# Altium PCB Omarichet_EPS - Copy.PcbDoc (part 1 of 3)
Units mil, origin at the board's own origin, x right, y up, seen from the top; angles counter-clockwise.
Board outline 6000 x 4000 mil, 2 copper layers (Top Layer, Bottom Layer); 253 components, 165 nets, 888 pads, 190 vias.
Unrouted connection lines stored in the file: 108.
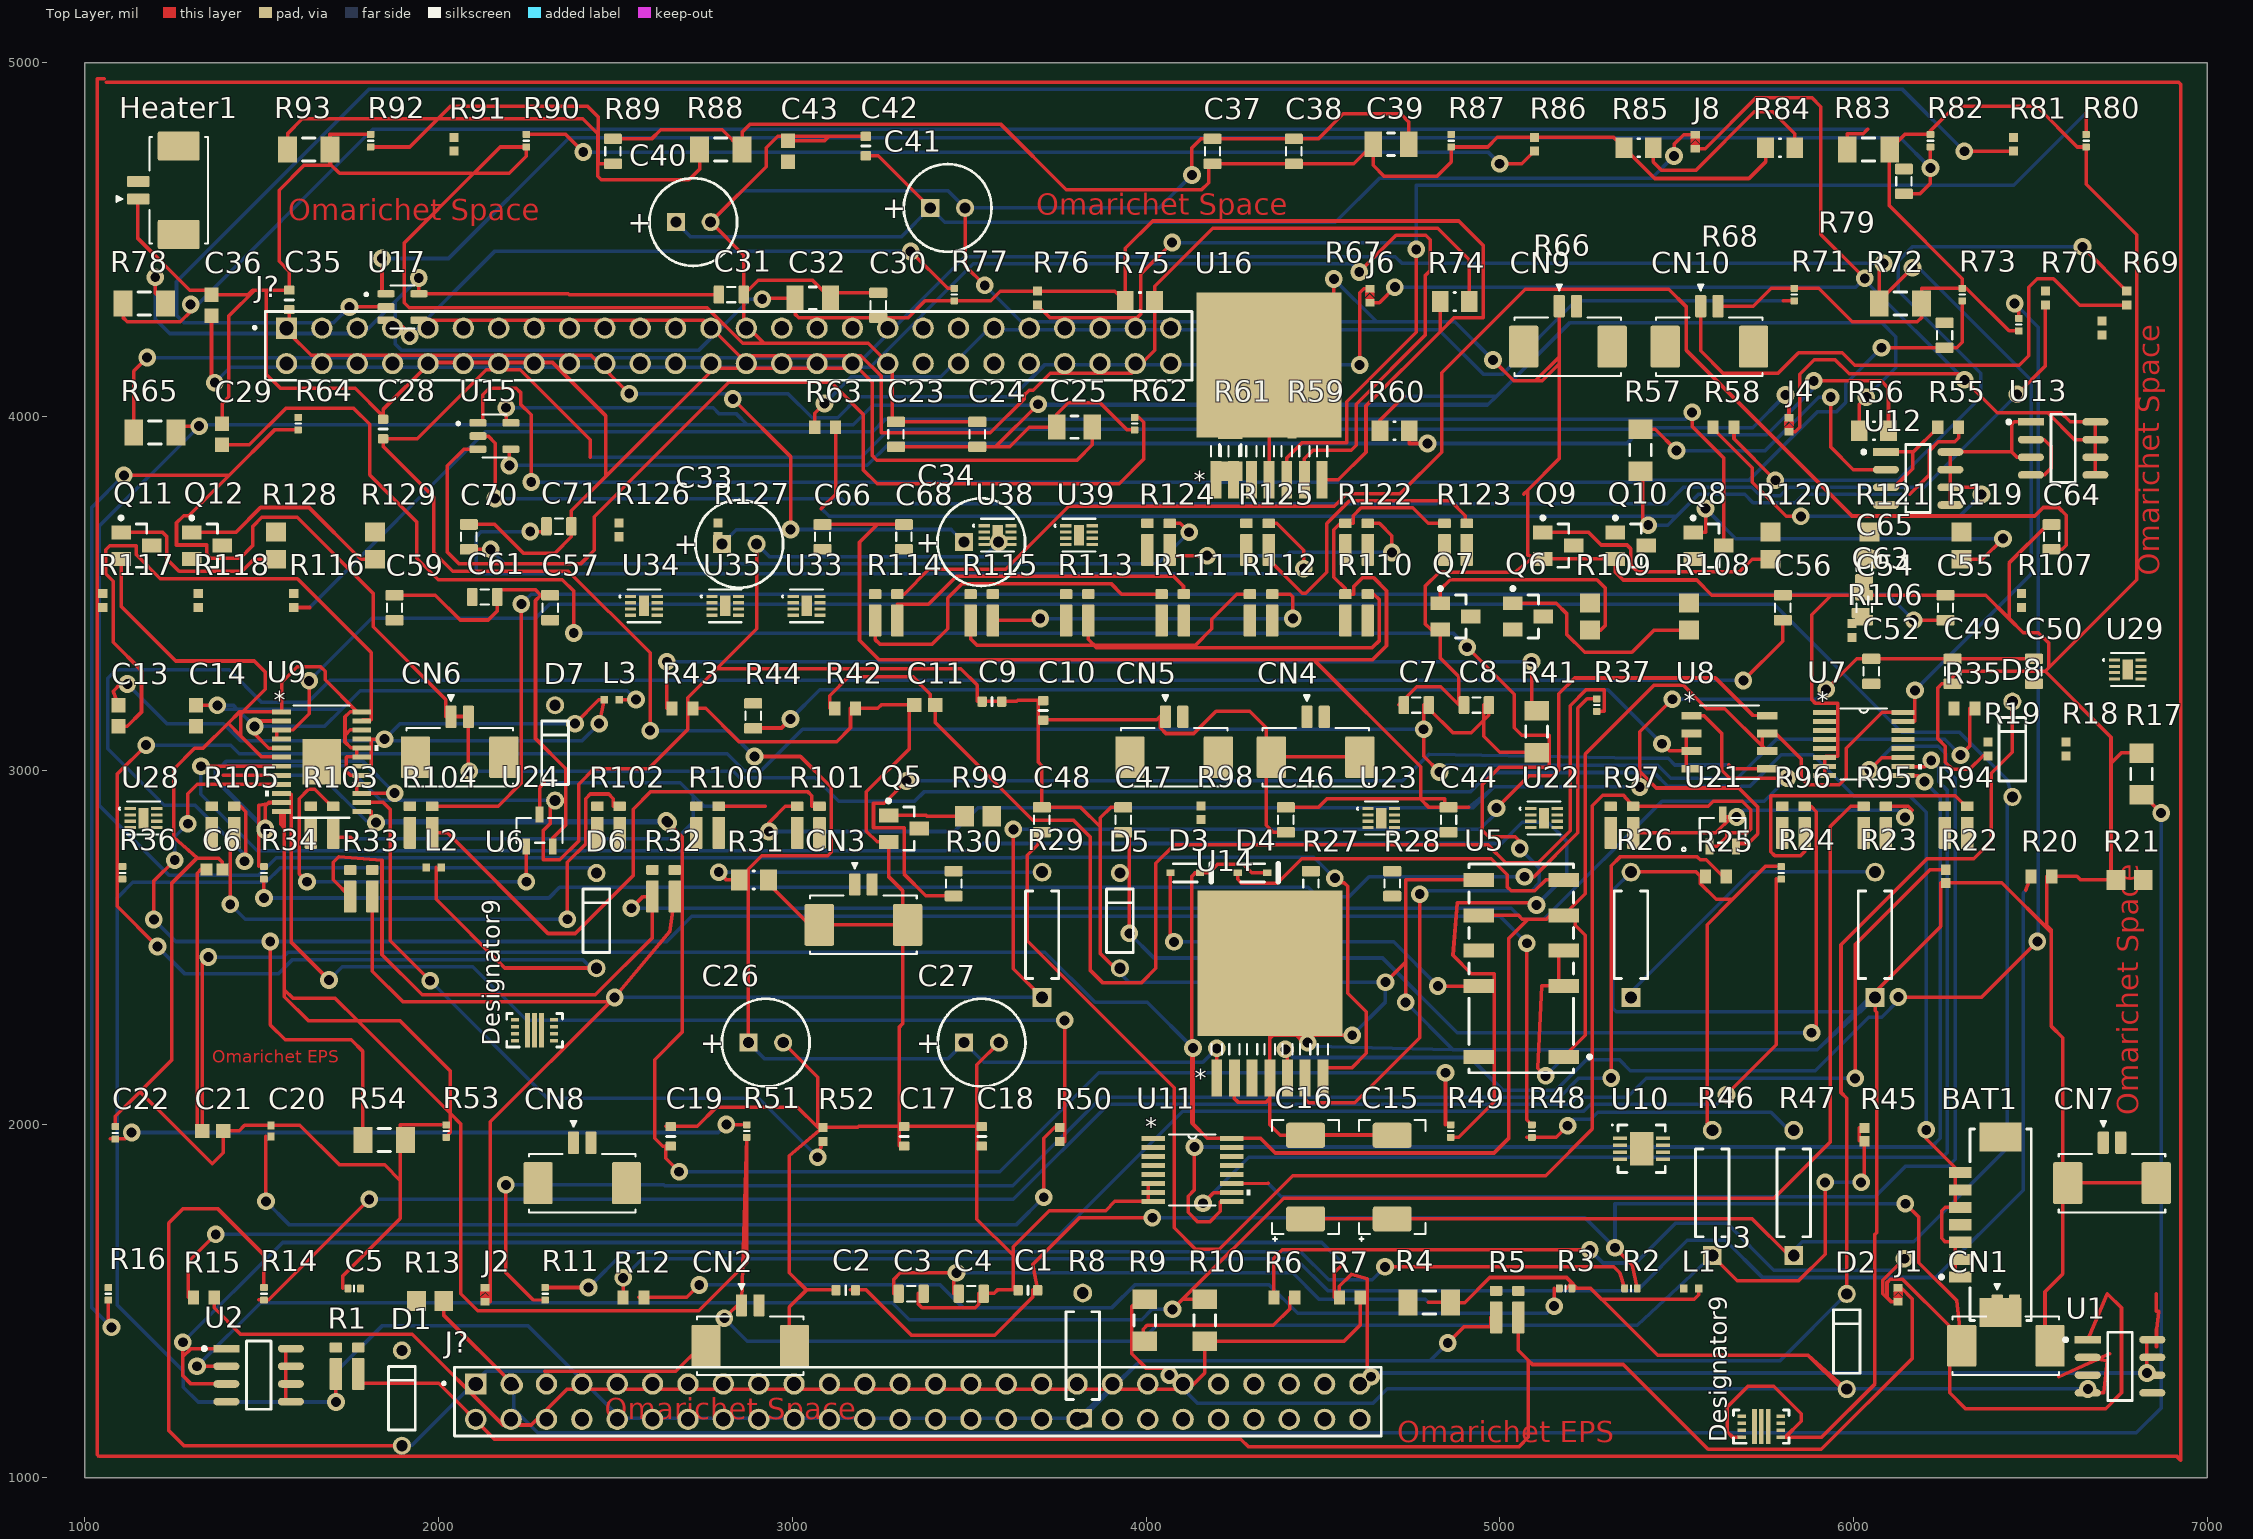
[diagram p0: Top Layer view]
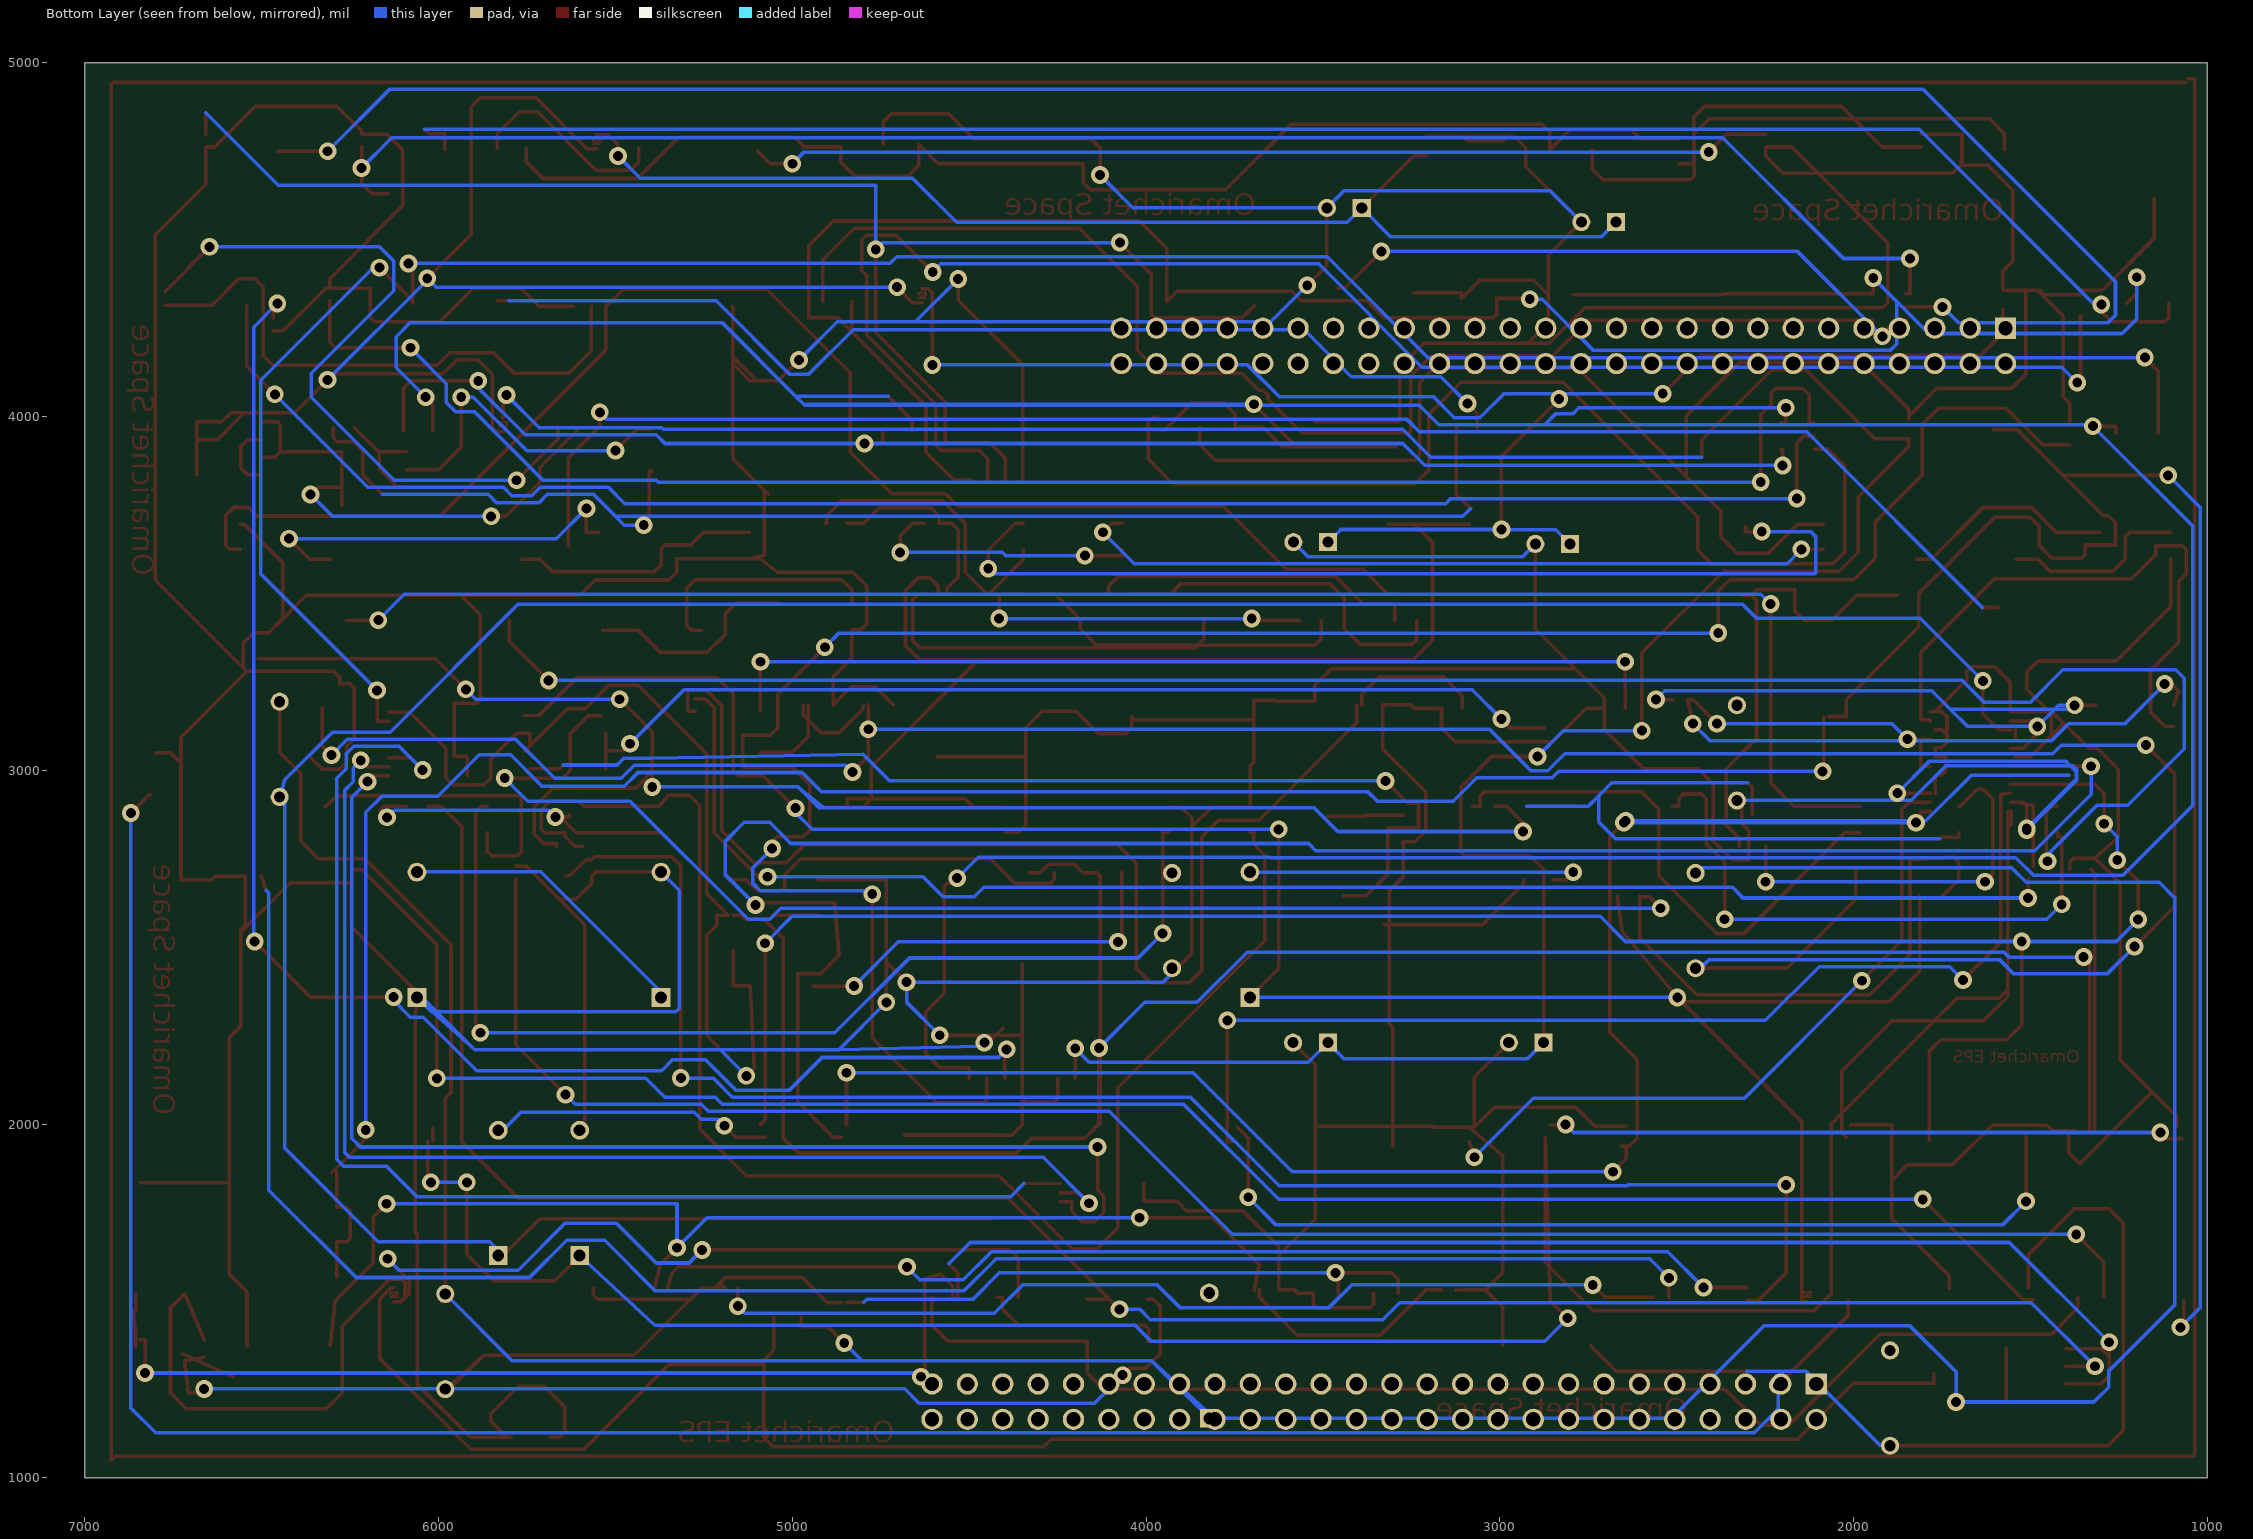
[diagram p1: Bottom Layer view, seen from below]

## Layer stack, top to bottom
Top Solder: solder mask 0.4, Solder Resist, Dk 3.5
Top Layer: signal copper 1.4
Dielectric 1: dielectric 12.6, FR-4, Dk 4.8
Bottom Layer: signal copper 1.4
Bottom Solder: solder mask 0.4, Solder Resist, Dk 3.5

## Board outline
1000,1000 7000,1000 7000,5000 1000,5000

## Design rules (kind name [scope] priority, off if disabled: settings)
Clearance [All] p1: gap=10 ignorepadtopadclearanceinfootprint=FALSE except(0: Arc-Hole Track-Hole SMDPad-Hole THPad-Hole Via-Hole Fill-Hole Poly-Hole Region-Hole Text-Hole)
PolygonConnect [All] p1: connectstyle=Relief reliefconductorwidth=10 reliefentries=4 polygonreliefangle="90 Angle" airgapwidth=10
RoutingVias [All] p1: holewidth=28 width=50 viastyle="Through Hole" minholewidth=28 minwidth=50 maxholewidth=28 maxwidth=50
SolderMaskExpansion [All] p1: expansion=4 istentingtop=FALSE
Width [All] p1: maxlimit=10 minlimit=10 preferedwidth=10
30 further rules are at their usual default settings.

## Classes and differential pairs
component class Sheet3: C44 C45 C46 C47 C48 C49 C50 C51 C52 C53 C54 C55 C56 C57 C58 C59 C60 C61 C62 C63 C64 C65 C66 C67 C68 C69 C70 C71 J? Q5 Q6 Q7 Q8 Q9 Q10 Q11 Q12 R94 R95 R96 R97 R98 R99 R100 R101 R102 R103 R104 R105 R106 R107 R108 R109 R110 R111 R112 R113 R114 R115 R116 R117 R118 R119 R120 R121 R122 R123 R124 R125 R126 R127 R128 R129 U20 U21 U22 U23 U24 U25 U26 U27 U28 U29 U30 U31 U32 U33 U34 U35 U36 U37 U38 U39
component class Sheet2: C23 C24 C25 C26 C27 C28 C29 C30 C31 C32 C33 C34 C35 C36 C37 C38 C39 C40 C41 C42 C43 CN9 CN10 Heater1 J4 J5 J6 J7 J8 J9 J10 J11 J? Q4 R55 R56 R57 R58 R59 R60 R61 R62 R63 R64 R65 R66 R67 R68 R69 R70 R71 R72 R73 R74 R75 R76 R77 R78 R79 R80 R81 R82 R83 R84 R85 R86 R87 R88 R89 R90 R91 R92 R93 U12 U13 U14 U15 U16 U17 U18 U19
component class Sheet1: BAT1 C1 C2 C3 C4 C5 C6 C7 C8 C9 C10 C11 C12 C13 C14 C15 C16 C17 C18 C19 C20 C21 C22 CN1 CN2 CN3 CN4 CN5 CN6 CN7 CN8 D1 D2 D3 D4 D5 D6 D7 D8 F1 J1 J2 J3 J_Antenna1 L1 L2 L3 Q1 Q2 Q3 R1 R2 R3 R4 R5 R6 R7 R8 R9 R10 R11 R12 R13 R14 R15 R16 R17 R18 R19 R20 R21 R22 R23 R24 R25 R26 R27 R28 R29 R30 R31 R32 R33 R34 R35 R36 R37 R38 R39 R40 R41 R42 R43 R44 R45 R46 R47 R48 R49 R50 R51 R52 R53 R54 SSW1 Temp1 U1 U2 U3 U4 U5 U6 U7 U8 U9 U10 U11

## Components (designator, comment, footprint, x,y, rotation, side; value= is the part's Value field where it differs from the comment)
BAT1 "53261-0771" Molex_0_MFG 6416.18,1715 r90 top
C1 "Capacitor 4.7µF +/-20% 10V 0603" CAPC0603(1608)100_L 3666.18,1530 r0 top value=4.7µF
C2 "Capacitor 4.7µF +/-20% 10V 0603" CAPC0603(1608)100_L 3151.18,1530 r0 top value=4.7µF
C3 "Capacitor 22µF +/-40% 16V 0805" CAPC0805(2012)145_L 3336.18,1520 r0 top value=22µF
C4 "Capacitor 22µF +/-40% 16V 0805" CAPC0805(2012)145_L 3506.18,1520 r0 top value=22µF
C5 "Capacitor 2,2µF +/-20% 10V 0402" CAPC0402(1005)60_L 1761.18,1535 r0 top value=2.2µF
C6 "Capacitor 1 uF +/- 10% 25 V 0603" CAPC1608X90X40LL10T20 1366.18,2720 r0 top value=1µF
C7 "Capacitor 22µF +/-40% 16V 0805" CAPC0805(2012)145_L 4764.43,3184.25 r0 top value=22µF
C8 "Capacitor 22µF +/-40% 16V 0805" CAPC0805(2012)145_L 4934.43,3184.25 r0 top value=22µF
C9 "Capacitor 4.7µF +/-20% 10V 0603" CAPC0603(1608)100_L 3564.43,3194.25 r0 top value=4.7µF
C10 "Capacitor 4.7µF +/-20% 10V 0603" CAPC0603(1608)100_L 3709.43,3169.25 r90 top value=4.7µF
C11 "Capacitor 1 uF +/- 10% 16 V 0603" CAPC1608X94X35NL15T15 3374.43,3184.25 r0 top value=1µF
C13 "Capacitor 1 uF +/- 10% 16 V 0603" CAPC1608X94X35NL15T15 1094.43,3154.25 r90 top value=1µF
C14 "Capacitor 1 uF +/- 10% 16 V 0603" CAPC1608X94X35NL15T15 1314.43,3154.25 r90 top value=1µF
C15 "Capacitor 33µF +/-20% 25V 2917" EEF-CX1E330R-Footprint-1 4696.18,1850 r90 top value=33µF
C16 "Capacitor 33µF +/-20% 25V 2917" EEF-CX1E330R-Footprint-1 4451.18,1850 r90 top value=33µF
C17 "Capacitor 4.7µF +/-20% 10V 0603" CAPC0603(1608)100_L 3316.18,1965 r90 top value=4.7µF
C18 "Capacitor 4.7µF +/-20% 10V 0603" CAPC0603(1608)100_L 3536.18,1965 r90 top value=4.7µF
C19 "Capacitor 4.7µF +/-20% 10V 0603" CAPC0603(1608)100_L 2656.18,1965 r90 top value=4.7µF
C20 "Capacitor 1 uF +/- 10% 6.3 V 0402" CAPC1005X55X25LL05T10 1526.18,1980 r90 top value=1µF
C21 "Capacitor 1 uF +/- 10% 16 V 0603" CAPC1608X94X35NL15T15 1361.18,1980 r0 top value=1µF
C22 "Capacitor 470nF +/-40% 10V 0402" CAPC0402(1005)60_L 1086.18,1975 r90 top value=470nF
C23 "Capacitor 100µF +/-20% 6.3V 0805" CAPC0805(2012)145_L 3292.91,3950 r90 top value=100µF
C24 "Capacitor 100µF +/-20% 6.3V 0805" CAPC0805(2012)145_L 3522.91,3950 r90 top value=100µF
C25 "Capacitor 100 uF +/- 20% 6.3 V 1206" CAPC3216X190X55LL30T25 3797.91,3970 r0 top value=100µF
C26 "ECA-1HM470" CAPPR55-250-1120X630X1220 2925,2230 r0 top value=47µF
C27 "ECA-1HM470" CAPPR55-250-1120X630X1220 3535,2230 r0 top value=47µF
C28 "Capacitor 1µF +/-40% 50V 0603" CAPC0603(1608)100_L 1842.91,3965 r90 top value=1µF
C29 "Capacitor 1 uF +/- 10% 16 V 0603" CAPC1608X94X35NL15T15 1387.91,3950 r90 top value=1µF
C30 "Capacitor 100µF +/-20% 6.3V 0805" CAPC0805(2012)145_L 3242.91,4315 r90 top value=100µF
C31 "Capacitor 100µF +/-20% 6.3V 0805" CAPC0805(2012)145_L 2827.91,4345 r0 top value=100µF
C32 "Capacitor 100 uF +/- 20% 6.3 V 1206" CAPC3216X190X55LL30T25 3057.91,4335 r0 top value=100µF
C33 "ECA-1HM470" CAPPR55-250-1120X630X1220 2850,3640 r0 top value=47µF
C34 "ECA-1HM470" CAPPR55-250-1120X630X1220 3534.21,3645 r0 top value=47µF
C35 "Capacitor 1µF +/-40% 50V 0603" CAPC0603(1608)100_L 1577.91,4330 r90 top value=1µF
C36 "Capacitor 1 uF +/- 10% 16 V 0603" CAPC1608X94X35NL15T15 1357.91,4315 r90 top value=1µF
C37 "Capacitor 100µF +/-20% 6.3V 0805" CAPC0805(2012)145_L 4187.91,4750 r90 top value=100µF
C38 "Capacitor 100µF +/-20% 6.3V 0805" CAPC0805(2012)145_L 4417.91,4750 r90 top value=100µF
C39 "Capacitor 100 uF +/- 20% 6.3 V 1206" CAPC3216X190X55LL30T25 4692.91,4770 r0 top value=100µF
C40 "ECA-1HM470" CAPPR55-250-1120X630X1220 2720,4550 r0 top value=47µF
C41 "ECA-1HM470" CAPPR55-250-1120X630X1220 3439.21,4590 r0 top value=47µF
C42 "Capacitor 1µF +/-40% 50V 0603" CAPC0603(1608)100_L 3207.91,4765 r90 top value=1µF
C43 "Capacitor 1 uF +/- 10% 16 V 0603" CAPC1608X94X35NL15T15 2987.91,4750 r90 top value=1µF
C44 "Capacitor 10µF +/-20% 25V 0805" CAPC0805(2012)145_L 4855.43,2860 r90 top value=10µF
C46 "Capacitor 10µF +/-20% 25V 0805" CAPC0805(2012)145_L 4395.43,2860 r90 top value=10µF
C47 "Capacitor 10µF +/-20% 25V 0805" CAPC0805(2012)145_L 3935.43,2860 r90 top value=10µF
C48 "Capacitor 10µF +/-20% 25V 0805" CAPC0805(2012)145_L 3705.43,2860 r90 top value=10µF
C49 "Capacitor 10µF +/-20% 25V 0805" CAPC0805(2012)145_L 6280.43,3280 r90 top value=10µF
C50 "Capacitor 10µF +/-20% 25V 0805" CAPC0805(2012)145_L 6510.43,3280 r90 top value=10µF
C52 "Capacitor 10µF +/-20% 25V 0805" CAPC0805(2012)145_L 6050.43,3280 r90 top value=10µF
C54 "Capacitor 10µF +/-20% 25V 0805" CAPC0805(2012)145_L 6030.43,3460 r90 top value=10µF
C55 "Capacitor 10µF +/-20% 25V 0805" CAPC0805(2012)145_L 6260.43,3460 r90 top value=10µF
C56 "Capacitor 10µF +/-20% 25V 0805" CAPC0805(2012)145_L 5800.43,3460 r90 top value=10µF
C57 "Capacitor 10µF +/-20% 25V 0805" CAPC0805(2012)145_L 2315.43,3460 r90 top value=10µF
C59 "Capacitor 10µF +/-20% 25V 0805" CAPC0805(2012)145_L 1875.43,3460 r90 top value=10µF
C61 "Capacitor 10µF +/-20% 25V 0805" CAPC0805(2012)145_L 2130.43,3490 r0 top value=10µF
C63 "Capacitor 10µF +/-20% 25V 0805" CAPC0805(2012)145_L 6020.43,3480 r90 top value=10µF
C64 "Capacitor 10µF +/-20% 25V 0805" CAPC0805(2012)145_L 6560.43,3660 r90 top value=10µF
C65 "Capacitor 10µF +/-20% 25V 0805" CAPC0805(2012)145_L 6030.43,3575 r90 top value=10µF
C66 "Capacitor 10µF +/-20% 25V 0805" CAPC0805(2012)145_L 3085.43,3660 r90 top value=10µF
C68 "Capacitor 10µF +/-20% 25V 0805" CAPC0805(2012)145_L 3315.43,3660 r90 top value=10µF
C70 "Capacitor 10µF +/-20% 25V 0805" CAPC0805(2012)145_L 2085.43,3660 r90 top value=10µF
C71 "Capacitor 10µF +/-20% 25V 0805" CAPC0805(2012)145_L 2340.43,3690 r0 top value=10µF
CN1 "0532610271" MOLX-532610271_V 6431.18,1430 r0 top
CN2 "0532610271" MOLX-532610271_V 2881.18,1430 r0 top
CN3 "0532610271" MOLX-532610271_V 3201.18,2620 r0 top
CN4 "0532610271" MOLX-532610271_V 4479.43,3094.25 r0 top
CN5 "0532610271" MOLX-532610271_V 4079.43,3094.25 r0 top
CN6 "0532610271" MOLX-532610271_V 2059.43,3094.25 r0 top
CN7 "0532610271" MOLX-532610271_V 6731.18,1890 r0 top
CN8 "0532610271" MOLX-532610271_V 2406.18,1890 r0 top
CN9 "0532610271" MOLX-532610271_V 5192.91,4255 r0 top
CN10 "0532610271" MOLX-532610271_V 5592.91,4255 r0 top
D1 "BZX79C3V6" FAIR-DO-35-2 1896.18,1225 r90 top
D2 "BZX79C3V6" FAIR-DO-35-2 5981.18,1385 r90 top
D3 "1N4148WS-7-F" DIOD-SOD323-2-A_V 4111.18,2710 r0 top
D4 "1N4148WS-7-F" DIOD-SOD323-2-A_V 4301.18,2710 r0 top
D5 "BZX79C3V6" FAIR-DO-35-2 3926.18,2575 r90 top
D6 "BZX79C3V6" FAIR-DO-35-2 2446.18,2575 r90 top
D7 "BZX79C3V6" FAIR-DO-35-2 2329.43,3049.25 r90 top
D8 "BZX79C3V6" FAIR-DO-35-2 6449.43,3059.25 r90 top
Heater1 "0532610271" MOLX-532610271_V 1207.91,4640 r90 top
J1 "JUMPER" JUMPER 6126.18,1515 r0 top
J2 "JUMPER" JUMPER 2131.18,1515 r0 top
J4 "JUMPER" JUMPER 5817.91,3975 r0 top
J6 "JUMPER" JUMPER 4632.91,4340 r0 top
J8 "JUMPER" JUMPER 5552.91,4775 r0 top
J? "SSQ-126-22-G-D" SAMTEC_SSQ-126-X-G-D 2820,4200 r180 top
J? "SSQ-126-22-G-D" SAMTEC_SSQ-126-X-G-D 3355,1215 r180 top
L1 "ELJ-RF2N2DFB" IND1005X55X20VL5T10 5541.18,1535 r0 top value=2.2µH
L2 "ELJ-RF2N2DFB" IND1005X55X20VL5T10 1986.18,2725 r0 top value=2.2µH
L3 "ELJ-RF2N2DFB" IND1005X55X20VL5T10 2489.43,3199.25 r0 top value=2.2µH
Q5 "MMBT3904" FAIR-SOT23-3_V 3315.43,2835 r0 top
Q6 "MMBT3904" FAIR-SOT23-3_V 5080.43,3435 r0 top
Q7 "MMBT3904" FAIR-SOT23-3_V 4875.43,3435 r0 top
Q8 "MMBT3904" FAIR-SOT23-3_V 5590.43,3635 r0 top
Q9 "MMBT3904" FAIR-SOT23-3_V 5165.43,3635 r0 top
Q10 "MMBT3904" FAIR-SOT23-3_V 5370.43,3635 r0 top
Q11 "MMBT3904" FAIR-SOT23-3_V 1145.43,3635 r0 top
Q12 "MMBT3904" FAIR-SOT23-3_V 1345.43,3635 r0 top
R1 "Resistor 7mR +/-1% 1206 63 mW" SUSUMU-3216T4A 1741.18,1315 r0 top value=7m
R2 "Resistor 232K +/-1 % 0402 63 mW" RESC0402(1005)_L 5371.18,1535 r0 top value=232k
R3 "Resistor 1M +/-5 % 0402 63 mW" RESC0402(1005)_L 5186.18,1535 r0 top value=1M
R4 "Resistor 100k +/-1% 1206 250 mW" RESC3216X60X45ML15T20 4801.18,1495 r0 top value=100k
R5 "Resistor 7mR +/-1% 1206 63 mW" SUSUMU-3216T4A 5021.18,1475 r0 top value=7m
R6 "Resistor 100k +/-1% 0603 100 mW" RESC1608X55X25ML10T15 4391.18,1510 r0 top value=100k
R7 "Resistor 100k +/-1% 0603 100 mW" RESC1608X55X25ML10T15 4576.18,1510 r0 top value=100k
R8 "MFR-25FBF52-100R" RESA60-630X240 3821.18,1345 r90 top value=100
R9 "Resistor 1k +/-1% 1206 250 mW" RESC3116X70X50ML13T20 3996.18,1445 r90 top value=1k
R10 "Resistor 1k +/-1% 1206 250 mW" RESC3116X70X50ML13T20 4166.18,1445 r90 top value=1k
R11 "Resistor 2K +/-5 % 0402 63 mW" RESC0402(1005)_L 2301.18,1520 r90 top value=2k
R12 "Resistor 0R +/- 5% 0603 100 mW" RESC1608X55X25ML10T15 2551.18,1510 r0 top value=0
R13 "Resistor 1k +/-1% 0805 125 mW" RESC2013X70X40ML20T20 1976.18,1500 r0 top value=1k
R14 "Resistor 22K  +/-1 % 0402 63 mW" RESC0402(1005)_L 1506.18,1520 r90 top value=22k
R15 "Resistor 0R +/- 5% 0603 100 mW" RESC1608X55X25ML10T15 1336.18,1510 r0 top value=0
R16 "Resistor 100K +/-1 % 0402 63 mW" RESC0402(1005)_L 1066.18,1520 r90 top value=100k
R17 "Resistor 4k7 +/-1% 1206 250 mW" RESC3116X70X50ML13T20 6814.43,2989.25 r90 top value=4.7k
R18 "Resistor 1k +/-1% 0402 63 mW" RESC1005X40X25ML05T05 6601.18,3060 r90 top value=100k